# Allegro board FH8852v310_FH8856V310_APP_BOARD_V1.brd (continued)
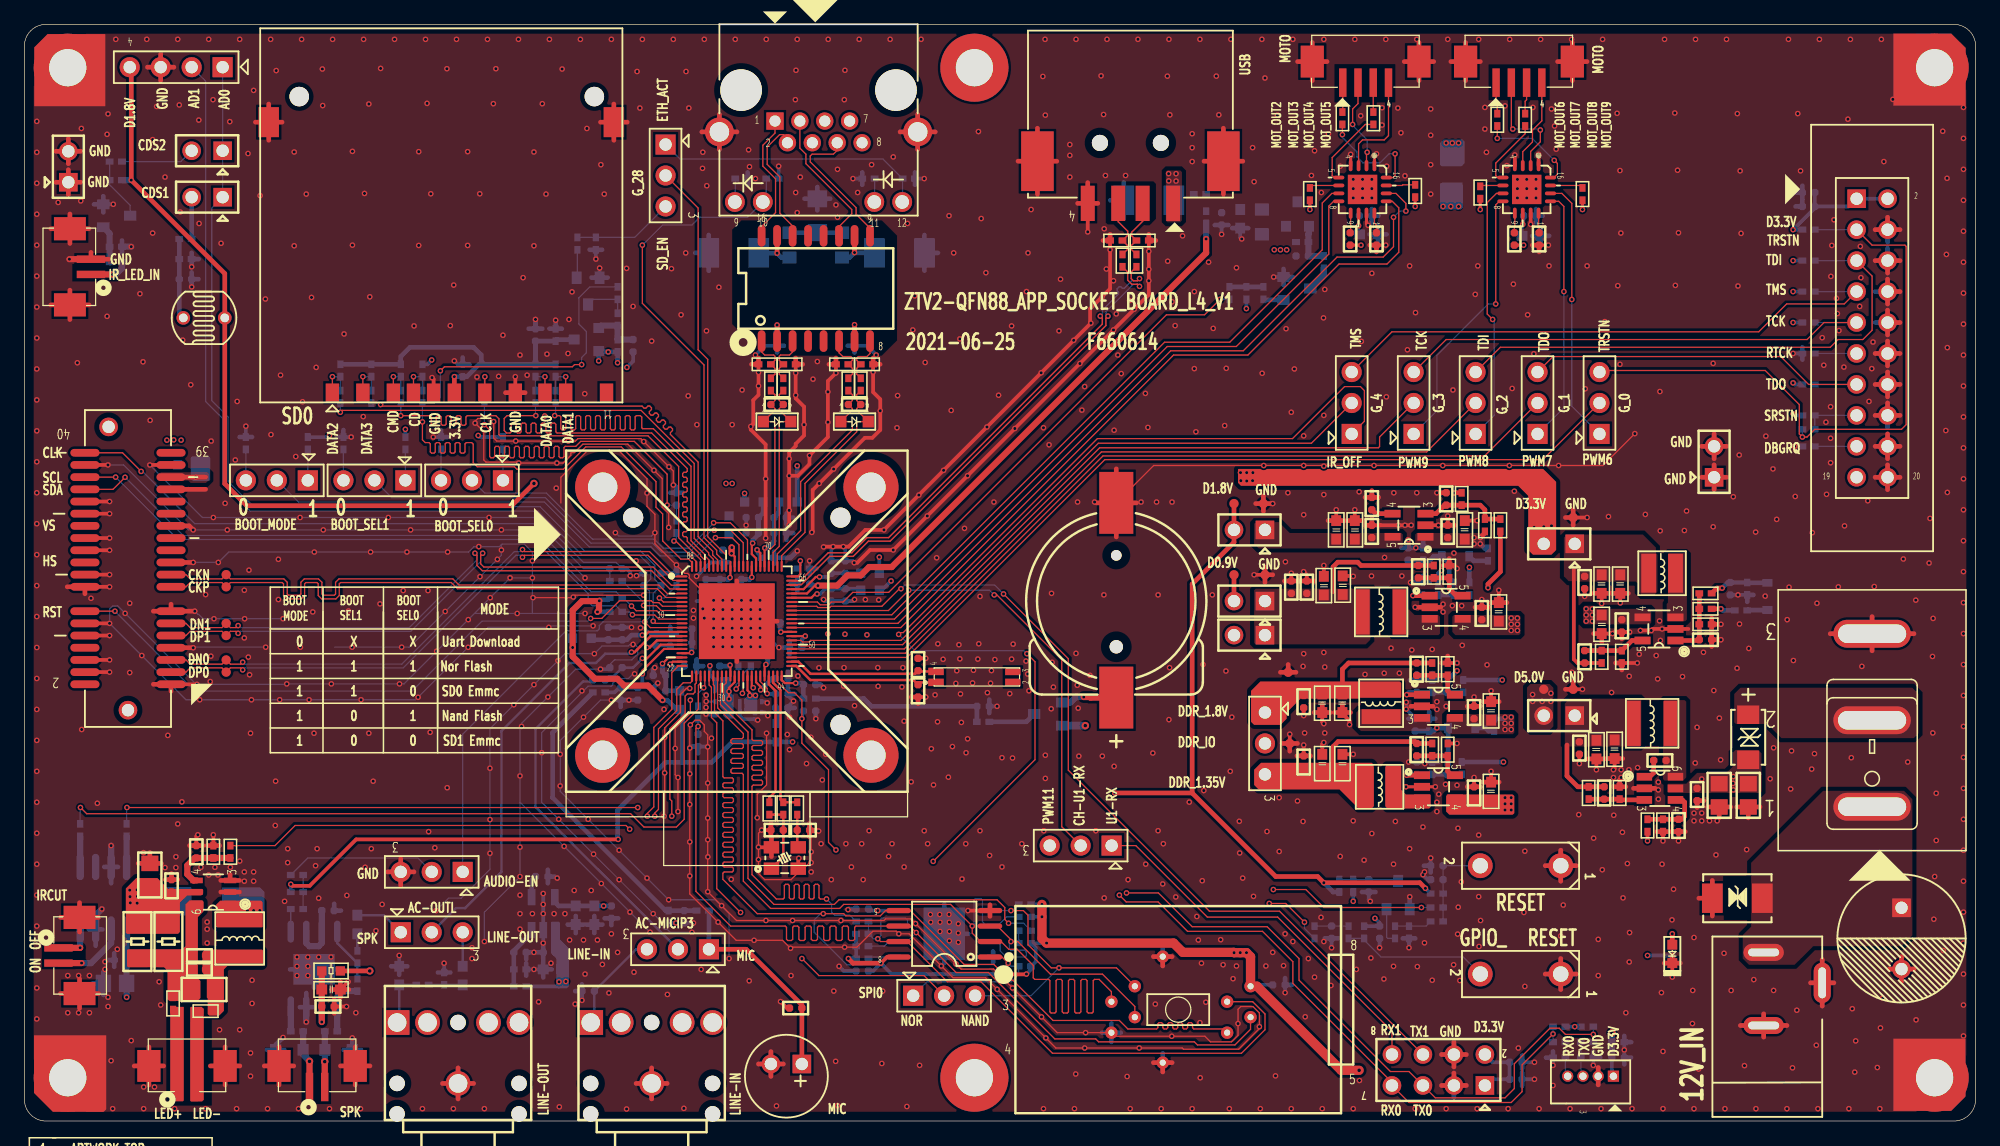
[diagram p0: board, top side]
## Routing (per net, layer and track width the routed paths; a pad name or vN(x,y) marks a point on that pad's centre or on a via; arc(x,y) is an arc through that point) (continued)
D5.0V: length 218.3
  TOP w0.381: R91.2 v2(28.32,12.32) ; R7.1 v1(139.12,42.04) ; v1(119.38,47.88) 119.76,48.26 R10.1
  VCC w0.965: 44.04,10.01 44.04,6.45 44.09,6.4 ; v1(12.24,55.91) 9.96,55.91 8.97,54.91 5.54,54.91 4.57,53.95 4.57,33.66 10.41,27.81 12.83,27.81 20.32,20.32 20.32,5.21 21.59,3.94 26.16,3.94 28.63,6.4 44.09,6.4 ; 44.09,6.4 57.66,6.4 60.08,8.83 80.51,8.83 84.25,5.08 91.06,5.08 92.49,3.65 94.2,3.65 95.61,5.05 103.23,5.05 108.36,10.19 119.87,10.19 122.05,12.36 122.05,28.07
  VCC w1.016: v2(28.32,12.32) 28.7,11.94 28.7,6.83 29.13,6.4
  BOTTOM w0.305: 43.99,11.23 43.81,11.05 R105.1
  BOTTOM w0.381: R24.1 v1(118.49,45.44) ; v1(139.12,42.04) 139.24,41.91 R44.1 ; R18.1 121.28,33.02 v1(121.41,33.15) ; R86.1 v1(121.28,29.46) ; R15.1 v1(121.18,36.2) ; R21.1 119.76,46.99 v1(119.38,47.37)
  vias: v1(11.68,55.88) v1(12.85,55.88) v1(43.84,11.43) v1(44.4,11.46) v1(102.49,71.5) v1(103,71.5) v1(103.5,71.5) v1(116.59,80.26) v1(117.09,80.26) v1(117.6,80.26) v1(118.87,47.88) v1(118.87,47.37) v1(121.41,32.64) v1(121.41,32.13) v1(121.41,26.54) v1(121.41,26.04) v1(121.41,25.53) v1(121.92,41.27) v1(121.92,40.77) v1(121.92,40.26) v1(121.92,33.15) v1(121.92,32.64) v1(121.92,32.13) v1(121.92,26.54) v1(121.92,26.04) v1(121.92,25.53) v1(122.43,41.27) v1(122.43,40.77) v1(122.43,40.26) v1(123.67,35) v1(123.67,34.44) v1(124.46,34.44) v1(125.17,35.1) v1(125.17,34.44) v1(128.07,42.04) v1(128.07,41.53) v1(128.07,41.02) v1(128.58,42.04) v1(128.58,41.53) v1(128.58,41.02)
D12V: length 8.4
  TOP w0.305: 133.1,23.75 v1(133.1,22.99)
  BOTTOM w0.305: R1.2 v1(133.1,13.59)
  BOTTOM w0.508: U19.1 C153.1 C152.1 v1(8.38,10.16)
  vias: v1(8.64,18.95) v1(8.66,18.41) v1(8.69,17.91) v1(9.25,18.97) v1(9.25,17.88) v1(9.27,18.44) v1(137.54,28.07) v1(140.13,28.27) v1(140.11,27.71) v1(140.13,27.18)
GND: length 2115.5
  TOP w0.102: v1(60.1,24.89) 60.1,26.82 60.86,27.58 v1(60.86,31.83) ; v1(52.83,48.72) 52.83,49.86 52.3,50.39 52.3,52.73 v1(51.63,53.4) 49.48,55.55 45.8,55.55 45.11,54.86 44.86,54.86 44.81,54.81 44.81,54.64 44.17,54 v1(43.66,54) v1(40.54,54) 40.46,54.08 37.85,54.08 37.67,54.25 37.67,56.57 v1(36.96,57.28) 36.96,57.43 37.19,57.66 38.25,57.66 38.48,57.43 v1(38.48,57.4) 38.48,56.06 38.73,55.8 v1(40.29,55.8) v1(44.6,55.8) 45.19,55.8 45.39,56.01 50.55,56.01 v1(50.79,55.77) v1(52.86,53.7) 53.21,53.34 v1(53.21,52.2) ; v1(53.59,25.4) v1(53.59,28.19) 53.37,28.42 v1(53.37,30.58) 53.37,32.23 54.61,33.48 v1(54.61,34.54) ; 58.06,41.02 54.51,44.58 54.53,44.6 54.53,44.8 54.39,44.94 54.15,44.94 53.47,45.62 v1(53.47,45.64) 53.44,45.64 51.7,47.38 v1(51.7,48.29) 51.7,49.8 51.05,50.44 v1(51.05,51.54) 51.05,52.7 48.77,54.99 46.15,54.99 43.99,52.83 43.99,50.72 ; v1(54.56,35.51) 54.28,35.51 53.78,35.01 53.78,33.54 52.5,32.26 v1(52.5,31.5) v1(52.5,28.57) 52.5,25.07 v1(52.45,25.02) ; v1(50.77,43.15) 45.16,43.15 v1(45.01,43) 44.96,42.95 v1(41.71,42.95) ; v1(60.45,23.88) 60.2,23.62 v1(60.2,22.48) v1(60.2,21.46) v1(60.2,20.57) 60.2,20.32 60.71,19.81 62.87,19.81 63.46,20.4 U7.2 63.89,20.71 64.39,21.21 v1(64.52,21.21) v1(64.52,22.1) 64.52,23.75 64.49,23.77 ; BT1.2 92.6,53.8 v1(101.63,53.8) v1(104.9,53.8) v1(110.67,53.8) v1(116.31,53.8) v1(121.77,53.8) v1(125.81,53.8) 129.44,53.8 v1(132.05,56.41) ; v1(83.4,8.55) v1(81.03,10.92) 79.48,12.47 76.81,12.47 v1(76.39,12.89) v1(73.08,16.21) 72.69,16.59 70.61,16.59 70.48,16.46 v1(66.95,16.46) v1(62.99,16.46) v1(60.81,16.46) 58.39,16.46 v1(57.18,17.68) v1(56.03,18.82) v1(56.03,23.09) v1(56.03,24.87) v1(56.03,27.74) v1(56.03,30.71) 56.03,31.7 55.75,31.98 55.75,32.51 55.37,32.89 54.99,32.89 v1(54.61,32.51) 54.56,32.46 v1(54.56,30.61) v1(54.56,28.5) v1(54.56,25.98) v1(54.56,22.91) v1(54.56,20.12) 54.56,18.64 v1(56.88,16.32) 58.37,14.83 v1(59.83,14.83) 62.17,14.83 v1(62.82,14.18) 62.92,14.27 v1(67.26,14.27) 68.27,14.27 69.58,15.58 71.49,15.58 v1(71.7,15.37) 72.54,15.37 v1(75.18,12.73) 76.15,11.76 78.82,11.76 v1(79.77,10.81) v1(83.76,6.82) 84.58,5.99 v1(86.94,5.99) v1(91.41,5.99) 94.95,5.99 95.05,5.89 99.57,5.89 101.27,7.59 v1(101.27,7.75) 101.27,8.86 100.74,9.4 99.75,9.4 99.52,9.17 v1(99.52,8) 99.52,7.04 98.98,6.5 97.26,6.5 96.8,6.96 v1(94.08,6.96) 89.43,6.96 U6.4 v1(87.02,7.25) 84.69,7.25 v1(83.4,8.55)
  TOP w0.178: v1(59.77,35.56) 59.65,35.68 U14.37
  TOP w0.254: C188.2 v1(124.97,71.88) ; v1(113.28,27.43) U12.2 v1(115.7,27.43) ; U26.11 110.05,73.64 v1(110.19,73.51) ; U26.1 110.7,79.21 v1(110.87,79.38) ; C186.2 v1(111.63,71.88) ; U26.4 v1(108.75,79.33)
  TOP w0.305: J4.5 33.56,60.88 v1(33.43,61.01) ; C79.1 v1(73.91,34.8) ; C65.1 v1(118.87,28.19) ; C68.2 106.43,30.94 v1(106.55,31.06) ; C19.2 v1(107.57,50.16) ; v1(62,9.8) 62.53,9.27 C108.2 ; v1(106.55,32.61) 106.43,32.74 C29.2 ; v1(65.13,23.8) 65.1,23.77 64.49,23.77 C80.1 ; J3.10 v1(6.99,39.84) ; J3.30 v1(6.99,49.84) ; C37.2 108.93,44.74 v1(108.97,44.7) ; C12.1 v1(131.62,40.13) ; C87.2 14.1,23.37 v1(14.22,23.5) ; J3.4 v1(6.99,36.84) ; v1(64.57,48.31) 64.64,48.39 64.64,51.79 v1(65.18,52.32) v1(66.36,53.51) 68.92,56.07 69.53,56.07 70.18,56.72 v1(70.18,58.29) 70.18,59.23 69.6,59.82 v1(69.6,61.47) D24.K ; C21.2 v1(109.09,50.16) ; D22.K v1(66.55,61.39) 65.89,60.73 v1(65.89,59.84) v1(65.89,57.35) 65.89,56.13 v1(64.38,54.62) 64.38,53.91 63.42,52.96 v1(62.71,52.96) ; D21.K v1(63.25,61.39) v1(63.25,59.56) 63.25,59.31 63.93,58.62 v1(63.93,57.15) 63.93,56.26 63.25,55.58 63.25,55.4 62.71,54.86 v1(62.71,54.36) v1(62.71,52.96) ; R16.1 v1(117.47,37.59) ; U14.89 56.01,41.02 v1(55.75,41.27) ; J21.4 v1(87.19,72.97) ; v1(62.71,52.96) v1(62.71,50.11) v1(62.71,48.92) ; T5.1 v1(128.14,49.53) ; C7.2 v1(127.51,29.34) ; C15.2 v1(130.86,42.52) ; R88.1 v1(117.47,30.99) ; C69.2 v1(104.9,30.86) ; J3.38 v1(6.85,53.84) ; C17.1 v1(119.13,49.28) ; J3.6 v1(6.99,37.84) ; C38.2 v1(106.55,45.59) ; 136.45,40.39 U2.2 v1(134.29,40.39) 133.53,40.39 v1(133.4,40.26) v1(132.51,40.26) ; C16.2 v1(127.94,43.05) ; J3.26 v1(6.99,47.84) ; J3.37 v1(10.29,53.84) ; v1(104.9,45.09) 105.16,44.83 C39.2 ; U27.4 v1(122.21,79.29) ; C34.1 v1(120.9,43.56) ; D18.K v1(60.2,61.44) v1(60.2,60.33) 60.2,59.59 59.77,59.16 59.77,57.2 v1(59.56,57) 59.56,56.74 60.78,55.52 v1(60.78,52.7) v1(60.78,47.83) ; J3.12 v1(6.99,40.84) ; C9.2 130.4,28.93 v1(130.3,28.83) ; C6.2 v1(128.91,28.83) ; T10.1 v1(100.84,44.83) ; v1(15.49,23.5) R104.2 ; J3.32 v1(6.99,50.84) ; C18.1 v1(116.71,49.66) ; C22.2 111.15,48.9 111.18,48.92 111.2,48.9 v1(112.67,48.9) v1(113.21,48.9) v1(113.72,48.9) ; C11.1 v1(130.23,40.01) ; 73.28,37.97 v1(73.91,37.97) ; C28.2 108.08,33.43 108.66,32.84 v1(108.66,32.54) ; J4.8 v1(40.26,61.09) ; C72.1 v1(26.42,9.4) ; 134.37,23.75 v1(134.37,22.99) ; v1(65.53,47.12) 65.56,47.14 v1(66.32,47.14) v1(67.16,47.14) 67.59,47.14 68.96,48.51 v1(70.48,48.51) v1(73.34,51.37) v1(75.37,53.4) v1(78.93,56.96) v1(83.38,61.4) v1(86.04,64.07) v1(87.45,65.48) 87.39,65.54 87.39,66.66 89.03,68.3 v1(89.03,71.5) D14.A ; U27.1 v1(124.17,79.33) ; C71.1 v1(26.54,11.43) ; U27.11 v1(123.52,73.59) ; U9.4 v1(77.37,17.27) ; J3.20 v1(6.99,44.84) ; C14.2 v1(129.34,42.47) ; T2.1 v1(127.76,35.43) ; T18.1 v1(103.76,31.75) ; J3.18 v1(6.99,43.84) ; C67.2 v1(108.97,30.1) ; D13.K v1(92.2,71.37) v1(92.2,69.9) v1(92.2,68.96) 92.2,67.82 v1(91.01,66.62) v1(89.31,64.92) v1(86.55,62.17) v1(81.22,56.83) v1(77.34,52.96) v1(74.04,49.66) v1(71.25,46.86) 69.34,46.86 68.3,45.82 v1(68.05,45.82) ; C30.2 v1(104.9,33.27) ; v1(120.27,28.7) C64.1 ; C25.1 v1(120.27,35.31) ; v1(60.2,22.48) 60.21,22.47 U7.4 ; 135.64,23.75 v1(135.64,22.99) ; C40.2 v1(103.89,44.96) ; D3.K v1(135.13,11.81) ; U7.2 63.46,21.52 v1(63.5,21.56) ; U3.2 v1(115.95,48.9) ; C78.1 v1(60.45,23.88) ; R9.1 v1(132.26,37.59) ; J3.24 v1(6.99,46.84) ; C26.1 v1(118.87,34.8) ; v1(14.15,35.84) J3.1 ; C35.1 v1(119.51,42.8)
  TOP w0.381: 103.76,30.35 T18.1 ; T18.1 103.12,30.99 ; T18.1 104.39,30.99 ; U18.10 153.8,65.53 ; U18.10 152.78,66.55 ; U18.10 152.78,64.52 ; 152.78,51.82 U18.20 ; U18.20 152.78,53.85 ; U18.20 153.8,52.83 ; U18.20 151.76,52.83 ; 105.71,44.32 C39.2 104.6,44.32 ; 110.49,49.45 C22.2 109.94,48.9 ; v1(13.84,38.84) J3.7 ; 3.73,65.77 J13.CG1 ; J13.CG1 2.17,66.98 ; J13.CG1 3.73,68.19 ; J13.CG1 5.29,66.98 ; T8.1 103.63,37.47 ; T8.1 104.27,36.83 ; T8.1 103,36.83 ; 129.34,39.31 C11.1 128.68,40.01 ; 137.54,55.37 JP5.2 ; JP5.2 138.56,56.39 ; JP5.2 138.56,54.36 ; JP5.2 139.57,55.37 ; 110.49,51.18 110.49,51.74 ; 110.49,51.18 111.04,51.18 ; 110.49,51.18 109.94,51.18 ; C71.1 26.61,10.79 ; C71.1 25.91,11.46 ; C71.1 25.21,10.79 ; C71.1 25.91,10.13 ; 129.57,29.72 C6.2 128.24,29.72 ; 119.61,27.81 C64.1 120.93,27.81 ; JP6.2 3.6,80.6 ; JP6.2 3.6,78.57 ; JP6.2 4.62,79.59 ; JP6.2 2.59,79.59 ; 116.71,38.16 R16.1 116.2,37.59 ; 72.72,34.8 C79.1 73.28,34.24 ; 151.76,57.91 U18.16 ; U18.16 153.8,57.91 ; U18.16 152.78,58.93 ; CN1.5 51.44,4.36 ; CN1.5 51.44,1.82 ; CN1.5 50.16,3.09 ; CN1.5 52.71,3.09 ; 104.35,29.97 C69.2 105.46,29.97 ; 116.2,2.92 117.22,2.92 ; 117.22,2.92 117.22,3.94 ; 117.22,2.92 118.24,2.92 ; 14.65,22.61 C87.2 13.54,22.61 ; 151.76,62.99 U18.12 ; U18.12 152.78,61.98 ; U18.12 153.8,62.99 ; U18.12 152.78,64.01 ; 129.05,2.97 J12.2 129.05,4.39 ; 151.76,73.15 U18.4 ; U18.4 152.78,74.17 ; U18.4 153.8,73.15 ; 151.76,60.45 U18.14 ; U18.14 152.78,61.47 ; U18.14 153.8,60.45 ; U18.14 152.78,59.44 ; 29.78,20.45 30.86,20.45 ; 30.86,20.45 30.86,19.37 ; 30.86,20.45 30.86,21.53 ; 30.86,20.45 31.94,20.45 ; 151.76,55.37 U18.18 ; U18.18 152.78,54.36 ; U18.18 153.8,55.37 ; U18.18 152.78,56.39 ; 137.54,52.83 JP5.1 ; JP5.1 138.56,51.82 ; JP5.1 139.57,52.83 ; JP5.1 138.56,53.85 ; J6.2 62.23,4.68 ; J6.2 60.2,4.68 ; J6.2 61.21,3.67 ; J6.2 61.21,5.7 ; 131.95,27.3 U1.2 133.73,27.3 ; D3.K 135.79,12.96 ; D3.K 134.47,12.96 ; D3.K 135.13,13.62 ; 98.32,76.07 J21.CG1 ; J21.CG1 98.32,81.48 ; J21.CG1 99.91,78.77 ; J21.CG1 96.73,78.77 ; U15.4 118.24,5.46 ; U15.4 116.2,5.46 ; U15.4 117.22,4.44 ; U15.4 117.22,6.48 ; J20.CG1 119.39,86.95 ; J20.CG1 118.18,88.51 ; J20.CG1 118.18,85.38 ; J20.CG1 116.97,86.95 ; 125.98,19.68 S2.1 ; S2.1 127.25,20.95 ; S2.1 124.71,20.95 ; S2.1 125.98,22.23 ; 9,4.52 J7.CG1 ; J7.CG1 10.21,2.96 ; J7.CG1 10.21,6.09 ; J7.CG1 11.42,4.52 ; 106.91,49.28 C19.2 108.23,49.28 ; 119.43,27.43 C65.1 118.32,27.43 ; 2.96,16.71 J15.CG1 ; J15.CG1 6.09,16.71 ; J15.CG1 4.52,15.51 ; J15.CG1 4.52,17.92 ; R26.1 116.84,46.17 ; R26.1 117.22,45.59 v1(117.47,45.34) ; R26.1 116.33,45.59 ; R8.1 v1(139.12,40.77) ; R8.1 138.36,41.28 ; R8.1 138.36,40.26 ; C105.2 11.24,21.15 ; C105.2 9.33,21.15 ; C105.2 10.29,22.04 ; T6.1 101.6,51.31 ; T6.1 100.96,50.67 ; T6.1 v1(102.36,50.67) ; T6.1 101.6,50.04 ; 109.75,49.28 C21.2 108.43,49.28 ; 12.02,35.27 J3.1 10.58,35.84 ; 130.2,43.31 C15.2 131.52,43.31 ; 25.92,4.52 J5.CG2 ; J5.CG2 27.13,2.96 ; J5.CG2 27.13,6.09 ; J5.CG2 28.33,4.52 ; 64.39,23.32 C80.1 ; C80.1 64.94,23.88 ; C80.1 64.39,24.43 ; 16.11,19.75 U16.3 ; U16.3 17.63,19.75 ; U16.3 16.87,20.23 ; 123.65,71.88 C188.2 124.21,71.33 ; 153.92,11.45 C3.2 ; C3.2 153.92,13.49 ; C3.2 152.91,12.47 ; C3.2 154.94,12.47 ; J4.16 20.04,83.46 ; J4.16 18.94,81.97 ; J4.16 20.04,80.49 ; J4.16 21.13,81.97 ; 138.02,25.78 C5.2 ; C5.2 139.93,25.78 ; C5.2 138.97,24.89 ; J20.CG2 126.93,88.51 ; J20.CG2 126.93,85.38 ; J20.CG2 128.14,86.95 ; J20.CG2 125.72,86.95 ; 127,36.07 T2.1 126.36,35.43 ; 17.63,18.8 U16.2 16.11,18.8 ; J17.13 56.99,82.61 ; J17.13 55.55,81.18 ; J17.13 58.43,81.18 ; J17.13 56.99,79.74 ; 119.61,34.42 C25.1 120.93,34.42 ; 110.32,71.88 C186.2 110.87,71.33 ; J4.15 48.34,83.46 ; J4.15 49.43,81.97 ; J4.15 47.24,81.97 ; J4.15 48.34,80.49 ; 137.31,18.29 D2.A ; D2.A 138.41,16.83 ; D2.A 138.41,19.75 ; 124.71,12.06 S1.1 ; S1.1 125.98,13.34 ; S1.1 125.98,10.79 ; S1.1 127.25,12.06 ; 25.4,8.84 C72.1 25.4,9.95 ; v1(13.84,45.84) J3.21 ; 135.08,23.75 136.19,23.75 ; J21.4 87.19,77.01 ; J21.4 86.37,75.31 ; J21.4 88.02,75.31 ; 73.25,79.74 J17.14 ; J17.14 74.69,81.18 ; J17.14 71.81,81.18 ; J17.14 73.25,82.61 ; 16.46,2.96 J7.CG2 ; J7.CG2 17.67,4.52 ; J7.CG2 15.25,4.52 ; J7.CG2 16.46,6.09 ; 92.77,72.26 D13.K 92.2,72.77 ; 105.61,85.38 J19.CG1 ; J19.CG1 104.4,86.95 ; J19.CG1 105.61,88.51 ; J19.CG1 106.81,86.95 ; J1.3 148.37,11.34 ; J1.3 147.42,9.44 ; J1.3 147.42,13.25 ; J1.3 146.47,11.34 ; 61.21,23.32 C78.1 61.21,24.43 ; CN5.5 36.83,3.09 ; CN5.5 35.56,1.82 ; CN5.5 34.29,3.09 ; CN5.5 35.56,4.36 ; 117.27,48.9 C18.1 116.16,48.9 ; 107.42,33.53 C28.2 ; C28.2 108.08,34.23 ; C28.2 108.74,33.53 ; J14.3 12.26,86.49 ; J14.3 10.1,86.49 ; J14.3 11.18,85.41 ; J14.3 11.18,87.57 ; 2.59,77.05 JP6.1 ; JP6.1 3.6,76.03 ; JP6.1 3.6,78.06 ; JP6.1 4.62,77.05 ; 60.2,62.61 D18.K 59.63,62.1 ; 130.99,37.02 R9.1 130.48,37.59 ; 151.51,38.6 J2.3 ; J2.3 148.08,39.99 ; J2.3 154.94,39.99 ; J2.3 151.51,41.39 ; 88.45,72.26 D14.A 89.03,72.77 ; 151.76,70.61 U18.6 ; U18.6 153.8,70.61 ; U18.6 152.78,69.6 ; v1(13.97,41.84) J3.13 ; J3.13 10.58,41.84 ; J3.13 12.02,42.41 ; C106.2 12.57,19.81 ; C106.2 12.06,20.32 ; C106.2 11.56,19.81 ; 137.16,25.73 C2.2 137.71,26.29 ; T10.1 102.36,44.83 ; T10.1 101.73,44.2 ; T10.1 101.73,45.47 ; C20.1 v1(139.12,39.5) ; C20.1 138.36,40.05 ; C20.1 138.36,38.94 ; 79.18,17.74 U9.4 79.18,16.8 ; J1.2 144.53,7.84 ; J1.2 142.62,6.89 ; J1.2 140.72,7.84 ; J1.2 142.62,8.8 ; J21.CG2 84.66,78.77 ; J21.CG2 83.07,76.07 ; J21.CG2 81.48,78.77 ; J21.CG2 83.07,81.48 ; 2.96,10.46 J15.CG2 ; J15.CG2 6.09,10.46 ; J15.CG2 4.52,9.26 ; J15.CG2 4.52,11.67 ; 115.52,34.04 U4.2 113.69,34.04 ; 103.33,44.32 C40.2 104.44,44.32 ; J5.CG1 22.09,4.52 ; J5.CG1 20.88,6.09 ; J5.CG1 19.67,4.52 ; J5.CG1 20.88,2.96 ; 120.06,42.16 C35.1 118.95,42.16 ; 120.24,42.55 C34.1 121.57,42.55 ; 6.88,70.73 J13.2 5.46,71.29 ; 39.45,59.77 J4.8 41.06,59.77 ; 130.3,27.43 R5.1 ; R5.1 131.32,27.43 ; R5.1 130.81,28 ; 141.36,24.89 C4.2 ; C4.2 140.41,25.78 ; C4.2 142.31,25.78 ; T5.1 127,50.17 ; T5.1 127,48.89 ; T5.1 126.36,49.53 ; 128.68,43.31 C14.2 130,43.31 ; 61.26,21.7 U7.4 61.26,23.23 ; 69.6,62.61 D24.K 70.17,62.1 ; J13.CG2 5.29,73.23 ; J13.CG2 3.73,72.02 ; J13.CG2 3.73,74.44 ; J13.CG2 2.17,73.23 ; C23.1 v1(115.82,51.56) ; 87.88,50.73 BT1.2 ; BT1.2 89.53,47.94 ; BT1.2 91.19,50.73 ; BT1.2 89.53,53.53 ; 130.43,40.13 C12.1 130.99,39.58 ; 92.58,13.49 U6.9 ; U6.9 94.11,13.49 ; U6.9 93.34,12.73 ; C29.2 106.43,34.23 ; C29.2 105.76,33.53 ; C29.2 107.09,33.53 ; 58.42,37.71 U14.89 ; U14.89 61.74,41.02 ; U14.89 58.42,44.34 ; 3.52,43.84 J3.18 4.96,43.27 ; 113.15,86.95 J19.CG2 ; J19.CG2 114.36,88.51 ; J19.CG2 115.56,86.95 ; J19.CG2 114.36,85.38 ; 16,22.61 R104.2 14.99,22.61 ; 66.55,62.61 D22.K 65.98,62.1 ; 63.82,62.1 D21.K 63.25,62.61 ; v1(13.84,48.51) 13.51,48.84 J3.27 ; 119.43,34.04 C26.1 118.32,34.04 ; U18.8 152.78,69.09 ; U18.8 152.78,67.06 ; U18.8 153.8,68.07 ; 92.58,4.79 U6.10 ; U6.10 93.34,4.03 ; U6.10 94.11,4.79 ; 116.15,42.16 U5.2 114.32,42.16 ; R11.1 v1(117.22,51.56) ; 131.06,29.75 C9.2 129.74,29.75 ; J3.33 14.86,51.84 ; 133.86,23.75 134.87,23.75
  TOP w0.508: J13.2 v1(3.69,70.73)
  VCC w0.102: 64.92,20.85 64.21,20.85 v1(63.5,21.56) ; 64.92,20.85 v1(67.82,20.85) v1(72.14,20.85) 78.54,20.85 79.15,21.46 v1(79.15,21.79) 78.69,21.79 78.61,21.87 71.02,21.87 v1(70.87,21.72) 66.19,21.72 65.43,22.48 65.43,22.76 ; 64.92,20.85 v1(64.52,20.45) 64.39,20.32 60.45,20.32 v1(60.2,20.57) 58.55,20.57 v1(56.03,23.09) 53.98,25.15 53.85,25.15 v1(53.59,25.4) 53.47,25.53 52.96,25.53 v1(52.45,25.02) 52.45,24.89 54.43,22.91 v1(54.56,22.91) 54.81,22.91 v1(56.05,21.68) 57.89,19.84 v1(57.96,19.84) 58.09,19.84 58.32,19.61 65.96,19.61 v1(66.17,19.81) v1(68.78,19.81) v1(90.5,19.81) 92.99,19.81 v1(93.34,19.46) ; v1(43.66,54) 45.03,54 46.01,54.98 48.65,54.98 51.05,52.57 v1(51.05,51.54) ; 33.9,55.77 40.25,55.77 ; 33.9,55.77 27.17,55.77 v1(26.8,56.13) 26.47,56.13 26.09,55.75 24.77,55.75 22.81,57.71 v1(22.81,59.03) ; 33.9,55.77 v1(33.53,56.13) ; 40.25,55.77 v1(40.29,55.8) ; 40.25,55.77 44.56,55.77 v1(44.6,55.8) 45.54,56.74 49.81,56.74 v1(50.79,55.77) 53.1,55.77 57.07,51.79 58.29,51.79 58.45,51.94 59.49,51.94 59.72,51.71 59.99,51.71 ; v1(87.86,23.83) v1(83.59,23.83) v1(78.36,23.83) v1(73.79,23.83) v1(69.27,23.83) 65.02,23.83 61.11,27.74 v1(56.03,27.74) 55.97,27.8 55.26,27.8 v1(54.56,28.5) ; v1(65.71,30.1) 65.71,29.51 68.2,27.03 71.37,27.03 72.19,27.84 v1(72.72,27.84) ; v1(93.4,22.76) 91.9,22.76 90.6,21.46 83.08,21.46 v1(81.79,22.76) v1(77.19,22.76) v1(74.07,22.76) v1(71.15,22.76) v1(68.66,22.76) v1(67.36,22.76) 65.43,22.76 ; 65.43,22.76 v1(65.33,22.76) 64.87,22.76 61.59,26.04 54.61,26.04 v1(54.56,25.98) 54.91,25.98 v1(56.03,24.87) ; v1(65.43,27.99) 67.31,26.11 89.46,26.11 90.17,26.82 90.17,28.7 89.76,29.11 v1(89.36,29.11) ; v1(64.39,45.97) 67.59,45.97 67.74,45.82 v1(68.05,45.82) 74.4,45.82 v1(74.8,46.23) ; v1(80.16,20.85) 80.26,20.75 91.62,20.75 v1(91.95,21.08) 95.22,21.08 v1(96.58,19.72) 97.87,18.44 v1(100.79,18.44) ; 61.2,35.78 61.14,35.84 60.05,35.84 v1(59.77,35.56) 59.44,35.89 57.28,35.89 57.15,35.76 56.72,35.76 v1(55.91,34.95)
  VCC w0.381: U6.10 93.34,5.56 ; U6.10 92.58,4.79 ; U6.10 94.11,4.79 ; U6.9 94.11,13.49 ; U6.9 92.58,13.49 ; U6.9 93.34,12.73 ; U6.9 93.34,14.26 ; CN1.5 52.71,3.09 ; CN1.5 50.16,3.09 ; CN1.5 51.44,1.82 ; 151.76,52.83 U18.20 ; U18.20 152.78,53.85 ; U18.20 153.8,52.83 ; U18.20 152.78,51.82 ; 117.22,2.92 118.24,2.92 ; 117.22,2.92 117.22,1.9 ; 117.22,2.92 116.2,2.92 ; S2.1 127.25,20.95 ; S2.1 125.98,22.23 ; S2.1 125.98,19.68 ; S2.1 124.71,20.95 ; U18.14 152.78,61.47 ; U18.14 151.76,60.45 ; U18.14 152.78,59.44 ; U18.14 153.8,60.45 ; 152.78,72.14 U18.4 ; U18.4 151.76,73.15 ; U18.4 152.78,74.17 ; U18.4 153.8,73.15 ; 151.76,62.99 U18.12 ; U18.12 152.78,64.01 ; U18.12 152.78,61.98 ; U18.12 153.8,62.99 ; 2.59,79.59 JP6.2 ; JP6.2 4.62,79.59 ; JP6.2 3.6,78.57 ; JP6.2 3.6,80.6 ; J14.3 11.18,87.57 ; J14.3 12.26,86.49 ; J14.3 10.1,86.49 ; J14.3 11.18,85.41 ; U18.18 152.78,56.39 ; U18.18 151.76,55.37 ; U18.18 153.8,55.37 ; U18.18 152.78,54.36 ; S1.1 125.98,13.34 ; S1.1 127.25,12.06 ; S1.1 124.71,12.06 ; 151.76,68.07 U18.8 ; U18.8 152.78,67.06 ; U18.8 152.78,69.09 ; U18.8 153.8,68.07 ; 30.86,20.45 30.86,21.53 ; 30.86,20.45 31.94,20.45 ; 30.86,20.45 30.86,19.37 ; 30.86,20.45 29.78,20.45 ; J17.13 58.43,81.18 ; J17.13 56.99,79.74 ; J17.13 55.55,81.18 ; J17.13 56.99,82.61 ; J17.14 74.69,81.18 ; J17.14 73.25,82.61 ; J17.14 71.81,81.18 ; J17.14 73.25,79.74 ; U18.16 153.8,57.91 ; U18.16 152.78,56.9 ; U18.16 152.78,58.93 ; U18.16 151.76,57.91 ; CN5.5 36.83,3.09 ; CN5.5 34.29,3.09 ; CN5.5 35.56,1.82 ; J1.3 148.37,11.34 ; J1.3 147.42,9.44 ; J1.3 147.42,13.25 ; J1.3 146.47,11.34 ; 118.24,5.46 U15.4 116.2,5.46 ; 151.51,38.6 J2.3 ; J2.3 154.94,39.99 ; J2.3 148.08,39.99 ; J2.3 151.51,41.39 ; 151.76,70.61 U18.6 ; U18.6 152.78,69.6 ; U18.6 152.78,71.63 ; U18.6 153.8,70.61 ; 142.62,6.89 J1.2 ; J1.2 142.62,8.8 ; J1.2 144.53,7.84 ; J1.2 140.72,7.84 ; 2.59,77.05 JP6.1 ; JP6.1 4.62,77.05 ; JP6.1 3.6,78.06 ; JP6.1 3.6,76.03 ; 153.92,11.45 C3.2 ; C3.2 153.92,13.49 ; C3.2 152.91,12.47 ; C3.2 154.94,12.47 ; U6.4 89.13,8.02 ; U6.4 89.13,6.49 ; U6.4 88.37,7.25 ; U6.4 89.9,7.25 ; 138.56,54.36 JP5.2 139.57,55.37 ; 138.56,51.82 JP5.1 ; JP5.1 139.57,52.83 ; JP5.1 137.54,52.83 ; JP5.1 138.56,53.85 ; U18.10 153.8,65.53 ; U18.10 152.78,66.55 ; U18.10 151.76,65.53 ; U18.10 152.78,64.52 ; 62.23,4.68 J6.2 61.21,3.67
  BOTTOM w0.102: 39.12,47.29 39.17,47.35 41.01,47.35 41.66,46.7 v1(41.66,45.97) v1(41.66,44.58) ; 39.12,47.29 38.96,47.14 v1(37.26,47.14) 36.86,47.14 36.41,46.7 v1(34.71,46.7) v1(31.37,46.7) v1(28.38,46.7) v1(23.77,46.7) 16.76,46.7 v1(15.9,45.84) v1(13.84,45.84) ; 39.12,47.29 v1(39.12,46.86) 39.12,46.43 v1(38.79,46.1) v1(37.36,44.68) v1(34.51,41.82) 31.57,38.89 v1(30.94,38.89) v1(26.87,38.89) 25.45,38.89 ; v1(41.66,44.58) v1(39.83,44.58) v1(38.2,42.95) 36.91,41.66 ; v1(41.66,44.58) 41.66,43 v1(41.71,42.95) 41.66,42.9 41.66,41.66 ; 40.64,26.16 v1(40.64,28.32) 40.64,32.26 v1(40.77,32.38) 40.77,32.64 v1(42.93,34.8) 45.21,37.08 v1(47.24,37.08) ; 40.64,26.16 v1(40.64,22.48) v1(40.64,20.07) 37.72,17.14 v1(37.72,14.73) ; 40.64,26.16 v1(44.26,22.54) v1(47.31,19.49) v1(49.66,17.14) v1(51.31,15.49) ; 48.01,37.08 C55.2 48.01,37.47 48.39,37.85 49.82,37.85 50.29,38.33 50.29,38.86 50.04,39.12 v1(49.91,39.12) 49.89,39.09 49.63,39.09 49.53,38.99 47.37,38.99 v1(46.74,38.35) 44.32,38.35 v1(43.75,37.78) v1(41.78,35.81) v1(40.13,34.16) 38.18,32.21 v1(38.18,28.96) v1(38.18,24.74) v1(38.18,21.97) 38.18,20.65 35.81,18.29 34.77,18.29 v1(33.76,17.27) ; v1(46.63,40.64) 43.13,40.64 v1(43,40.51) 38.02,40.51 v1(36.39,38.87) v1(32.28,34.77) 32.08,34.57 v1(27.61,34.57) v1(23.34,34.57) v1(20.93,34.57) v1(18.62,34.57) v1(14.38,34.57) 13.25,34.57 v1(9.63,38.2) v1(6.99,40.84) 6.99,42.01 7.25,42.27 7.65,42.27 v1(8.26,41.66) 14.08,35.84 v1(14.15,35.84) 21.48,35.84 v1(21.51,35.88) v1(25.17,35.88) v1(30.76,35.88) 31.13,35.88 v1(33.81,38.56) v1(36.4,41.15) 36.91,41.66 ; 41.66,41.66 v1(40.41,41.66) 36.91,41.66 ; 41.66,41.66 v1(45.97,41.66) ; v1(6.85,53.84) 8.13,53.84 13.46,48.51 v1(13.84,48.51) v1(16.64,48.51) v1(24.51,48.51) v1(31.67,48.51) v1(39.12,48.51) 42.04,48.51 v1(45.97,44.58) ; v1(50.04,36.7) 49.91,36.7 49.53,36.32 48.64,36.32 48.26,35.94 48.26,35.81 48.13,35.69 46.23,35.69 45.85,35.31 v1(45.72,35.31) 45.72,35.18 42.42,31.88 v1(42.42,30.23) 42.42,26.16 v1(43.81,24.77) v1(46.67,21.91) v1(48.77,19.81) v1(51.56,17.02) 52.37,16.21 52.37,15.85 52.49,15.74 52.72,15.74 52.96,15.49 v1(54.74,15.49) ; v1(13.97,41.84) 14.23,41.58 14.3,41.58 14.66,41.22 v1(15.54,41.22) v1(18.06,41.22) v1(21.21,41.22) ; v1(10.29,53.84) 14.6,49.53 v1(15.49,49.53) v1(22.61,49.53) v1(29.84,49.53) v1(38.1,49.53) 42.16,49.53 45.85,45.85 48.51,45.85 C52.1 ; v1(19.79,38.89) 13.89,38.89 v1(13.84,38.84) ; v1(57.78,13.34) 57.78,17.02 56.64,18.16 v1(52.83,18.16) v1(51.05,19.94) v1(48.77,22.23) v1(46.23,24.77) 43.94,27.06 v1(43.94,27.51) 43.94,27.51 v1(43.94,30.1) 43.94,31.24 v1(45.85,33.15) 47.24,34.54 v1(48.13,34.54) ; v1(51.7,48.29) 51.42,48.01 48.74,48.01 v1(48.46,48.29)
  BOTTOM w0.178: C57.2 55.93,34.42 v1(55.91,34.44) ; R31.2 v1(64.39,45.97)
  BOTTOM w0.201: v1(50.52,40.48) 50.84,40.48 51.31,40.01 C74.2 C75.2
  BOTTOM w0.305: C103.2 35.53,62.1 v1(35.26,62.38) ; v1(42.55,14.61) U11.2 v1(42.55,17.02) v1(42.55,17.78) v1(42.55,18.67) ; Q1.2 v1(47.17,70) ; C164.2 115.09,19.81 v1(114.68,20.22) ; v1(55.12,44.7) 56.26,45.85 57.28,45.85 ; 61.85,77.34 v1(61.85,78.36) ; v1(67.16,47.14) 67.31,46.99 C43.2 ; C194.2 v1(123.83,3.43) ; C148.2 v1(131.19,5.84) D8.K ; C165.2 60.71,63.63 v1(59.94,62.87) ; C50.1 62.61,34.92 v1(63.07,34.47) 62.61,34.01 C45.1 ; C124.2 v1(59.18,48.9) C125.2 ; C102.2 v1(79.76,34.04) ; R80.2 v1(46.86,70.74) ; v1(56.52,42.74) 56.45,42.67 55.12,42.67 ; C162.2 110.24,18.16 v1(110.36,18.03) ; C159.2 99.69,72.52 v1(99.82,72.39) ; v1(62.71,50.11) 62.48,49.89 C123.2 ; C116.2 C117.2 56.21,36.62 56.21,37.33 56.21,37.34 v1(56.21,37.36) ; 59.31,77.34 v1(59.94,77.34) ; C32.2 114.05,33.07 v1(113.31,33.81) v1(113.31,34.37) ; RF2.1 v1(34.42,12.95) ; C147.2 v1(30.73,13.59) ; Q4.2 v1(102.44,69.27) ; v1(56.03,30.71) 56.01,30.73 C177.2 ; R176.1 v1(67.94,77.34) ; v1(53.21,52.2) 53.34,52.2 53.47,52.07 C178.2 ; C113.2 v1(54.86,16.26) ; R46.2 v1(26.8,56.13) ; v1(60.13,32.91) 60.11,32.93 59.93,32.93 59.88,32.98 58.97,32.98 58.66,33.29 C98.2 C58.2 ; C121.2 60.71,33.53 v1(60.96,33.27) ; D9.A v1(125.35,4.57) ; C43.2 C42.2 66.17,46.99 v1(66.32,47.14) ; C43.2 67.89,45.97 v1(68.05,45.82) ; R43.2 v1(18.16,57.02) ; C60.2 v1(103.38,10.54) ; C195.1 v1(123.83,4.83) ; v1(114.83,29.34) 114.96,29.46 R87.1 ; R142.2 v1(145.16,55.37) ; v1(62.71,48.92) 62.48,48.69 C122.2 ; C161.2 v1(107.19,14.22) ; C120.2 60.81,34.42 v1(60.91,34.32) ; U10.4 v1(77.57,13.46) ; D10.A v1(128.65,4.57) ; C52.1 49.38,45.34 49.68,45.03 v1(49.68,44.75) ; v1(69.85,62.87) 69.09,63.63 C167.2 ; C158.2 v1(98.17,72.77) ; D19.A v1(73.79,77.34) ; C107.1 v1(41.78,12.45) R106.1 ; C163.2 v1(115.32,21.59) ; C70.1 v1(113.51,29.46) ; R173.1 v1(113.54,14.22) ; C44.2 50.55,44.96 50.34,44.75 v1(50.19,44.75) ; Q3.2 v1(7.29,75.24) ; v1(66.8,12.7) 67.18,12.32 C100.1 ; R139.2 v1(145.03,62.99) ; v1(49.78,40.51) 47.88,40.51 ; C135.2 v1(48.13,34.54) ; C119.2 v1(45.72,9.91) ; 48.01,37.08 v1(47.24,37.08) ; C160.2 v1(111.12,14.22) ; R48.2 v1(33.53,56.13) ; R84.2 v1(140.51,43.18) C62.2 ; C114.2 v1(49.58,34.54) ; v1(65.53,42.8) 65.66,42.67 C51.2 C49.2 67.94,42.67 v1(68.07,42.8)
  BOTTOM w0.381: 103.93,11.18 C60.2 103.38,11.73 ; 89.05,75.56 D17.A ; D17.A 90.15,74.1 ; D17.A 90.15,77.03 ; 52.96,40.56 C75.2 53.51,40.01 ; U10.9 75.43,17.78 ; U10.9 77.38,15.37 ; U10.9 75.43,12.95 ; 145.24,76.2 C151.2 ; C151.2 145.8,75.65 ; C151.2 145.8,76.75 ; J17.14 74.69,81.18 ; J17.14 71.81,81.18 ; J17.14 73.25,79.74 ; J17.14 73.25,82.61 ; C31.1 114.73,36.2 ; C31.1 113.62,36.2 ; C31.1 114.17,36.75 ; 36.5,62.1 C103.2 35.94,62.66 ; C104.2 v1(41.91,65.79) ; C104.2 41.36,65.02 ; C104.2 42.46,65.02 ; U6.10 93.34,5.56 ; U6.10 93.34,4.03 ; U6.10 92.58,4.79 ; U6.10 94.11,4.79 ; C89.2 C88.2 56.2,39.24 v1(56.52,38.93) ; C89.2 55.75,40.89 ; C89.2 56.26,40.39 ; 110.79,18.8 C162.2 109.68,18.8 ; 122.81,4.27 C195.1 122.81,5.38 ; 151.76,52.83 U18.20 ; U18.20 153.8,52.83 ; U18.20 152.78,53.85 ; U18.20 152.78,51.82 ; 56.12,69.79 D15.A ; D15.A 55.01,71.25 ; D15.A 56.12,72.71 ; C181.1 125.03,72.64 ; C181.1 123.63,72.64 ; C181.1 124.33,73.31 ; C181.1 124.33,71.98 ; v1(55.9,33.4) 55.9,33.4 C48.2 ; 131.19,6.99 D8.K 131.76,6.48 ; 43.05,65.02 R74.1 ; R74.1 v1(43.56,65.72) ; R74.1 44.07,65.02 ; 152.78,56.9 U18.16 ; U18.16 153.8,57.91 ; U18.16 152.78,58.93 ; U18.16 151.76,57.91 ; RR2.1 v1(59.56,38.93) ; 146.47,11.34 J1.3 ; J1.3 148.37,11.34 ; J1.3 147.42,13.25 ; J1.3 147.42,9.44 ; 122.81,3.98 C194.2 122.81,2.87 ; 68.07,63.07 C167.2 67.52,63.63 ; U19.3 6.4,15.72 ; U19.3 5.84,14.39 ; U19.3 5.28,15.72 ; 64.9,33.66 v1(64.9,33.02) ; C91.2 60.96,39.67 ; C91.2 60.52,39.12 v1(60.33,38.93) ; C91.2 61.51,39.12 ; 131.19,4.65 C148.2 131.75,5.21 ; Q4.2 103.25,69.93 ; Q4.2 103.25,68.61 ; Q4.2 104.01,69.27 ; 100.36,73.28 C159.2 99.03,73.28 ; 141.28,42.61 R84.2 141.78,43.18 ; J14.3 12.26,86.49 ; J14.3 11.18,87.57 ; J14.3 11.18,85.41 ; J14.3 10.1,86.49 ; 6.48,10.35 C152.2 ; C152.2 6.48,12.26 ; C152.2 5.59,11.3 ; 129.22,5.21 D10.A 128.65,5.72 ; 30.73,12 C147.2 ; C147.2 30.07,12.7 ; C147.2 31.4,12.7 ; R17.1 115.95,36.2 ; R17.1 114.93,36.2 ; R17.1 115.44,36.77 ; 117.22,2.92 118.24,2.92 ; 117.22,2.92 117.22,1.9 ; 117.22,2.92 117.22,3.94 ; 117.22,2.92 116.2,2.92 ; 114.6,33.02 C32.2 113.49,33.02 ; 46.74,16.13 46.74,16.83 ; 46.74,16.13 47.4,16.13 ; 46.74,16.13 46.07,16.13 ; 46.74,16.13 46.74,15.43 ; 114.17,30.02 C70.1 114.73,29.46 ; 110.3,72.77 C185.1 ; C185.1 111,72.11 ; C185.1 111,73.43 ; C185.1 111.7,72.77 ; 142.62,6.89 J1.2 ; J1.2 142.62,8.8 ; J1.2 144.53,7.84 ; J1.2 140.72,7.84 ; v1(51.94,35.94) 51.56,35.56 C47.1 ; R49.2 61.47,46.74 ; R49.2 61.47,45.72 ; R49.2 62.81,46.23 v1(63.37,46.79) ; 151.76,65.53 U18.10 ; U18.10 152.78,64.52 ; U18.10 152.78,66.55 ; U18.10 153.8,65.53 ; 151.76,70.61 U18.6 ; U18.6 152.78,69.6 ; U18.6 153.8,70.61 ; U18.6 152.78,71.63 ; 57.28,45.34 57.28,45.85 57.78,45.85 ; 35.56,1.82 CN5.5 ; CN5.5 35.56,4.36 ; CN5.5 36.83,3.09 ; CN5.5 34.29,3.09 ; C85.1 62.74,39.42 ; C85.1 v1(61.87,38.86) ; C85.1 62.74,38.31 ; 152.78,67.06 U18.8 ; U18.8 151.76,68.07 ; U18.8 152.78,69.09 ; U18.8 153.8,68.07 ; 124.78,5.21 D9.A 125.35,5.72 ; 115.32,20.4 C163.2 114.76,20.95 ; 26.16,56.71 R46.2 25.65,56.13 ; 23.75,10.93 U13.9 ; U13.9 25.71,12.45 ; U13.9 21.79,12.45 ; R132.1 v1(13.72,70.1) ; R132.1 13.72,71.25 ; R132.1 14.29,70.74 ; 25.95,17.27 C59.1 25.4,17.83 ; C33.2 114.02,47.04 ; C33.2 112.91,47.04 ; C33.2 v1(113.46,47.7) ; 138.56,54.36 JP5.2 ; JP5.2 138.56,56.39 ; JP5.2 139.57,55.37 ; JP5.2 137.54,55.37 ; U19.7 7.67,20.85 ; U19.7 7.11,19.52 ; U19.7 6.55,20.85 ; U18.18 153.8,55.37 ; U18.18 152.78,56.39 ; U18.18 152.78,54.36 ; U18.18 151.76,55.37 ; 73.03,76.83 D19.A 73.03,77.85 ; U22.1 v1(113.6,18.4) 113.59,18.42 ; C115.2 43.48,20.07 ; C115.2 42.93,20.62 ; C115.2 42.93,19.51 ; 26.18,5.84 D25.A ; D25.A 27.6,5.84 ; D25.A 26.89,5.1 ; D25.A v1(26.89,6.82) ; U6.9 94.11,13.49 ; U6.9 93.34,12.73 ; U6.9 93.34,14.26 ; U6.9 92.58,13.49 ; 41.99,13.84 C109.1 ; C109.1 42.55,14.4 ; C109.1 42.55,13.29 ; 56.47,38.35 C191.2 ; C191.2 57.02,38.67 v1(57.28,38.93) ; C191.2 57.58,38.35 ; v1(21.21,6.86) 20.61,6.26 D7.K ; S2.1 127.25,20.95 ; S2.1 125.98,22.23 ; S2.1 125.98,19.68 ; S2.1 124.71,20.95 ; JP5.1 138.56,53.85 ; JP5.1 138.56,51.82 ; JP5.1 139.57,52.83 ; JP5.1 137.54,52.83 ; 151.76,62.99 U18.12 ; U18.12 153.8,62.99 ; U18.12 152.78,61.98 ; U18.12 152.78,64.01 ; U18.4 152.78,74.17 ; U18.4 153.8,73.15 ; U18.4 151.76,73.15 ; U18.4 152.78,72.14 ; 129.05,4.39 J12.2 129.05,2.97 ; C3.2 153.92,13.49 ; C3.2 152.91,12.47 ; C3.2 153.92,11.45 ; C3.2 154.94,12.47 ; J6.2 61.21,5.7 ; J6.2 60.2,4.68 ; J6.2 62.23,4.68 ; J6.2 61.21,3.67 ; JP6.1 4.62,77.05 ; JP6.1 3.6,78.06 ; JP6.1 2.59,77.05 ; JP6.1 3.6,76.03 ; 58.8,42.88 C61.2 ; C61.2 59.36,43.43 ; C61.2 58.25,43.43 ; 47.58,16.64 C112.2 ; C112.2 48.69,16.64 ; C112.2 48.13,16.08 ; 116.2,5.46 U15.4 ; U15.4 117.22,6.48 ; U15.4 117.22,4.44 ; U15.4 118.24,5.46 ; 65.02,74.74 C166.1 ; C166.1 65.02,76.65 ; C166.1 66.08,75.69 ; C166.1 63.97,75.69 ; 45.72,11.22 C119.2 45.17,10.67 ; 55.24,30.18 C177.2 54.69,30.73 ; 151.51,38.6 J2.3 ; J2.3 148.08,39.99 ; J2.3 151.51,41.39 ; J2.3 154.94,39.99 ; 62.61,35.61 C50.1 63.17,35.05 ; D16.A 73.81,72.71 ; D16.A 73.81,69.79 ; D16.A 74.91,71.25 ; R22.2 v1(114.1,47.04) ; R22.2 115.21,47.04 ; R22.2 114.71,47.61 ; 41.15,13.29 C118.1 41.7,13.84 ; 44.55,16.13 45.21,16.13 ; 45.21,16.13 45.21,16.83 ; 45.21,16.13 45.87,16.13 ; 45.21,16.13 45.21,15.43 ; 7.37,12.65 C153.2 ; C153.2 6.81,13.21 ; C153.2 7.37,13.76 ; 152.78,59.44 U18.14 ; U18.14 152.78,61.47 ; U18.14 151.76,60.45 ; U18.14 153.8,60.45 ; 114.05,14.99 R173.1 113.03,14.99 ; 62.61,36.88 C46.1 62.61,35.77 ; 60.96,40.34 C92.2 ; C92.2 60.96,41.45 ; C92.2 60.77,40.89 v1(60.33,40.45) ; Q3.2 6.47,75.9 ; Q3.2 6.47,74.57 ; Q3.2 5.71,75.24 ; 88.37,7.25 U6.4 ; U6.4 89.9,7.25 ; U6.4 89.13,8.02 ; U6.4 89.13,6.49 ; 68.71,76.83 R176.1 68.71,77.85 ; 34.16,56.71 R48.2 34.67,56.13 ; CN1.5 51.44,4.36 ; CN1.5 52.71,3.09 ; CN1.5 51.44,1.82 ; CN1.5 50.16,3.09 ; 110.49,73.74 C184.1 ; C184.1 111.04,74.3 ; C184.1 110.49,74.85 ; 53.97,51.56 C178.2 52.96,51.56 ; 145.8,62.48 R139.2 145.8,63.5 ; 47.37,71.5 R80.2 46.35,71.5 ; C97.2 R38.1 v1(53.47,45.64) ; 98.73,73.53 C158.2 97.62,73.53 ; 145.24,75.06 C150.1 145.8,75.61 ; 64.96,45.34 R31.2 64.39,44.83 ; 29.78,20.45 30.86,20.45 ; 30.86,20.45 30.86,19.37 ; 30.86,20.45 31.94,20.45 ; C63.1 51.56,37.08 v1(51.69,37.21) ; 125.98,10.79 S1.1 ; S1.1 127.25,12.06 ; S1.1 124.71,12.06 ; S1.1 125.98,13.34 ; 19.9,5.84 D7.K ; D7.K 20.61,5.1 ; D7.K 21.32,5.84 ; 62.48,48.98 C123.2 63.04,49.53 ; 79.43,13.92 U10.4 79.43,13 ; v1(58.8,38.93) 58.55,38.67 RR3.1 ; C107.1 42.55,13.11 ; C107.1 42.55,11.78 ; C107.1 43.24,12.45 ; JP6.2 3.6,80.6 ; JP6.2 3.6,78.57 ; JP6.2 4.62,79.59 ; JP6.2 2.59,79.59 ; 55.55,81.18 J17.13 ; J17.13 58.43,81.18 ; J17.13 56.99,82.61 ; J17.13 56.99,79.74 ; 48.9,33.99 C135.2 49.45,34.54 ; C41.1 v1(113.67,44.2) ; C41.1 115.24,44.2 ; C41.1 114.68,44.75 ; 62.82,44.07 C196.1 ; C196.1 63.37,43.51 ; C196.1 63.37,44.62 ; v1(65.53,35.56) 65.28,35.81 64.9,35.81 ; 47.83,69.22 Q1.2 46.51,69.22 ; C83.1 55.12,37.89 ; C83.1 55.12,36.78 ; C83.1 55.67,37.34 ; C183.1 124.51,74.3 ; C183.1 123.95,73.74 ; C183.1 123.95,74.85 ; 79.12,33.48 C102.2 79.12,34.59 ; C149.2 14.27,69.09 ; C149.2 13.72,69.64 ; C149.2 v1(13.72,68.45) ; v1(57.28,42.74) 57.02,42.99 C90.2 C93.2 ; 59.31,77.85 59.31,76.83 ; R19.2 115.7,33.02 ; R19.2 115.19,33.59 ; R19.2 114.68,33.02 ; 18.67,56.13 R43.2 17.65,56.13 ; v1(67.54,17.35) 67.59,17.4 C101.2 ; 62.61,33.35 C45.1 63.17,33.91 ; 61.72,63.07 C165.2 62.28,63.63 ; v1(116.2,45.19) 115.95,44.93 R25.1 ; 41.15,11.94 R106.1 41.15,12.95 ; 33.91,12.19 RF2.1 34.93,12.19 ; U13.7 23.11,10.5 ; U13.7 23.64,9.35 ; U13.7 22.59,9.35 ; 55.88,42.93 C93.2 ; C93.2 55.38,43.43 ; 62.48,47.71 C122.2 63.04,48.26 ; 115.44,30.04 R87.1 115.95,29.46 ; 107.74,14.99 C161.2 106.63,14.99 ; 8,71.25 8,72.26